# Altium PCB beovox-poe.PcbDoc (part 1 of 2) (continued)
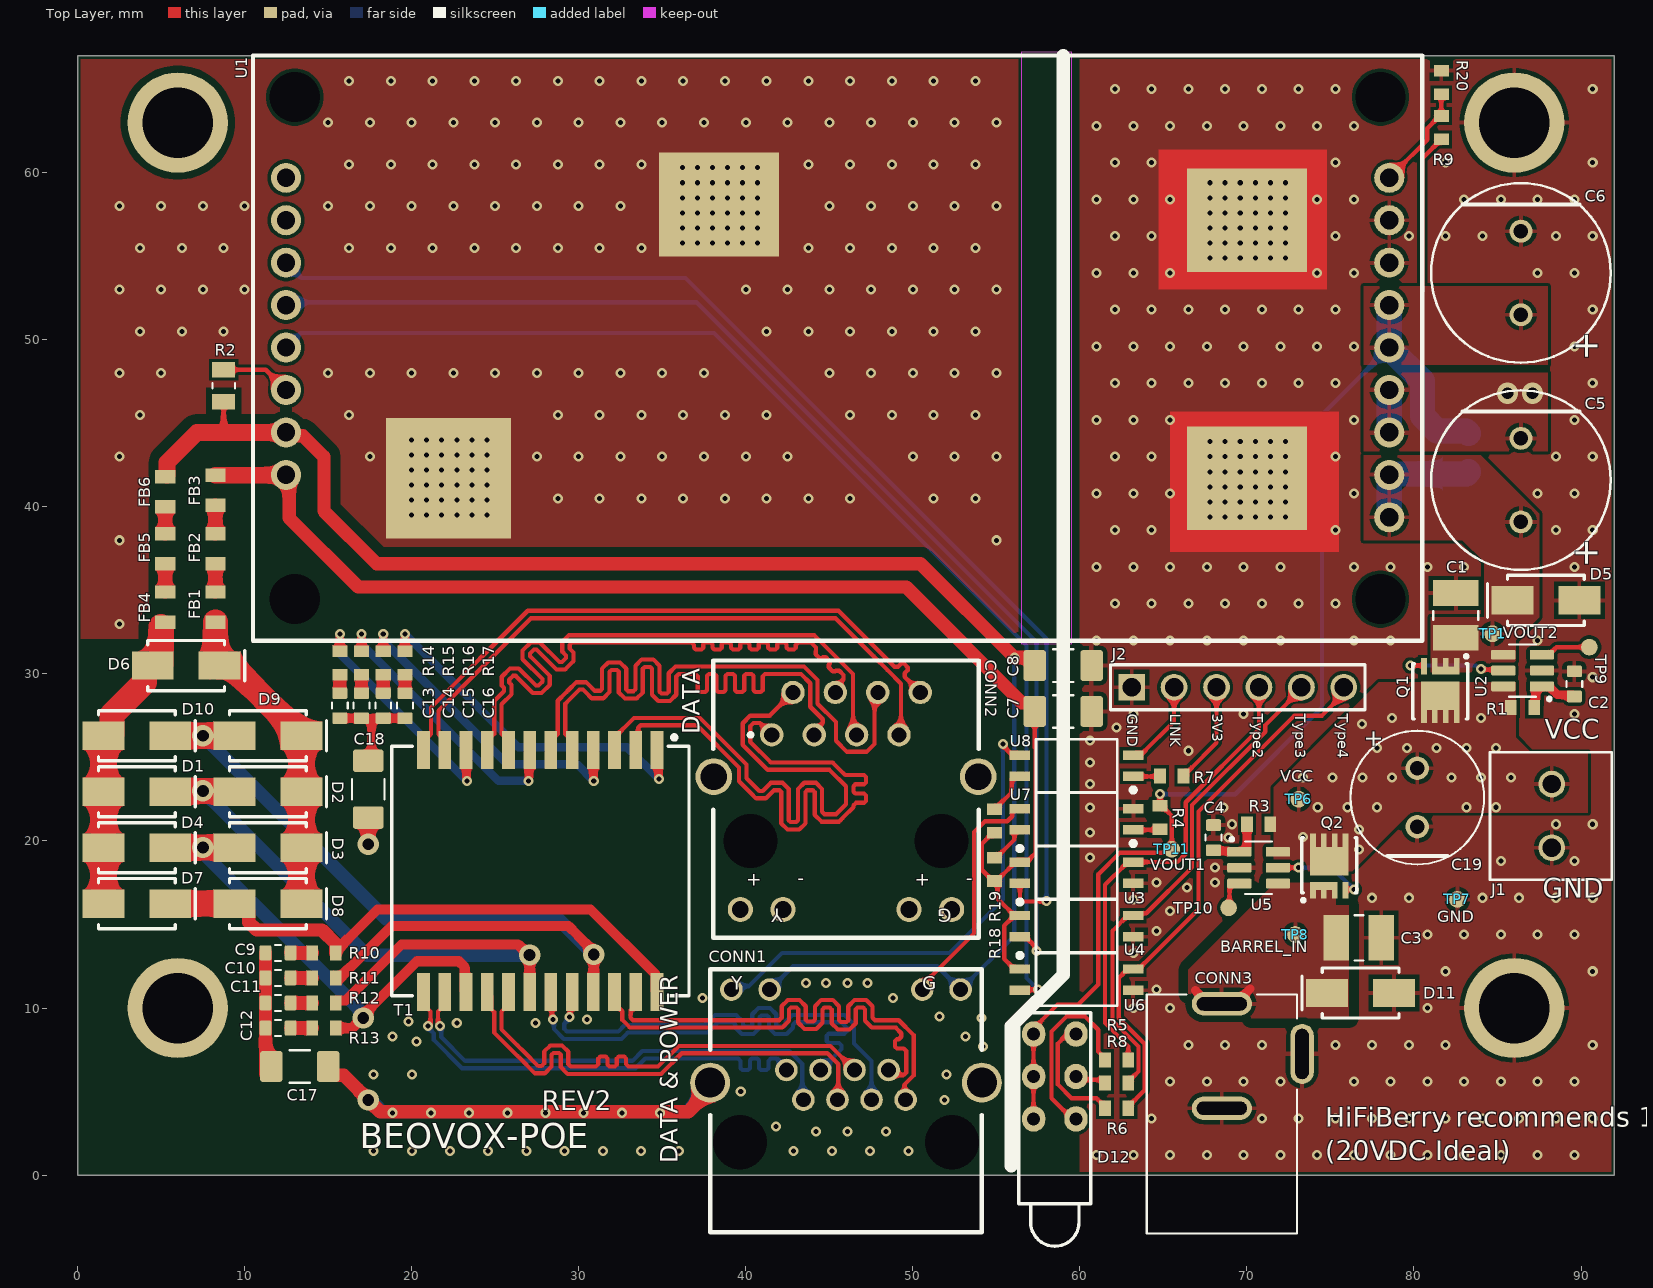
[diagram p0: Top Layer view]
## Part data (continued)
J1: "1x2P 10A -40℃~+105℃ 300V Black 16~26 Straight 3.81mm 0.5~1 1 2 Plugin,P=3.81mm Screw terminal ROHS", Manufacturer=Dorabo, Supplier Part Number=C430618, ComponentLink1Description=LCSC, ComponentLink1URL=https://www.lcsc.com/product-detail/Screw-terminal_DORABO-DB125-3-81-2P-BK-S_C430618.html, Manufacturer Part Number=DB125-3.81-2P-BK-S, Supplier=LCSC
J2: "Straight Square Pins 2.5mm 6P 6mm -40℃~+105℃ 3mm 2.54mm Plugin Black Brass 1x6P Plugin,P=2.54mm Pin Headers ROHS", Manufacturer=XFCN, Supplier Part Number=C492405, ComponentLink1Description=LCSC, ComponentLink1URL=https://www.lcsc.com/product-detail/Pin-Headers_XFCN-PZ254V-11-06P_C492405.html, Manufacurer Part Number=PZ254V-11-06P, Supplier=LCSC
J3 J4: library part Solder_Jumper_3
MP1 MP2 MP3 MP4: "M3 Round Nut 8mm height", Manufacturer=YIYUAN, Supplier Part Number=C5301772, ComponentLink1Description=LCSC, ComponentLink1URL=https://www.lcsc.com/product-detail/Other-nuts_YIYUAN-SMTSOM380BTR_C5301772.html, Manufacturer Part Number=SMTSOM380BTR, Supplier=LCSC
Q1 Q2: library part BSZ097N10NS5ATMA1, "BSZ097xx Series 100 V 40 A 9.7 mOhm OptiMOS5 Power-MOSFET - TSDSON-8 FL", Continuous Drain Current (ID)=40A, Drain to Source Resistance=13mR, Drain to Source Voltage (Vdss)=100V, Gate to Source Voltage (Vgs)=20V, Input Capacitance=2.08nF, Manufacturer=Infineon, Max Operating Temperature=150°C, Max Power Dissipation=69W, Min Operating Temperature=-55°C, On-State Resistance=9.7mR, Package Quantity=5000, Supplier Part Number 1=726-BSZ097N10NS5, Category=MOSFETs, ComponentLink1Description=http://www.mouser.com/ds/2/196/Infineon-BSZ097N10NS5-DS-v02_01-en-531392.pdf?src-supplier=Mouser, ComponentLink1URL=http://www.mouser.com/ds/2/196/Infineon-BSZ097N10NS5-DS-v02_01-en-531392.pdf?src-supplier=Mouser, ComponentLink2Description=http://www.farnell.com/datasheets/2255497.pdf?src-supplier=Farnell, ComponentLink2URL=http://www.farnell.com/datasheets/2255497.pdf?src-supplier=Farnell, ComponentLink3Description=https://www.infineon.com/dgdl/Infineon-BSZ097N10NS5-DS-v02_01-en.pdf?fileId=5546d461454603990145d5a1b051648d&src-supplier=Digikey, ComponentLink3URL=https://www.infineon.com/dgdl/Infineon-BSZ097N10NS5-DS-v02_01-en.pdf?fileId=5546d461454603990145d5a1b051648d&src-supplier=Digikey, ComponentLink4Description=http://www.infineon.com/dgdl/Infineon-BSZ097N10NS5-DS-v02_01-en.pdf?fileId=5546d461454603990145d5a1b051648d&src-supplier=Digikey, ComponentLink4URL=http://www.infineon.com/dgdl/Infineon-BSZ097N10NS5-DS-v02_01-en.pdf?fileId=5546d461454603990145d5a1b051648d&src-supplier=Digikey, Fall Time=5ns, Halogen Free="Halogen Free", Lead Free="Contains Lead", Manufacturer Part Number=BSZ097N10NS5ATMA1, Max Dual Supply Voltage=100V, Mount="Surface Mount", Number of Channels=1, Number of Pins=8, Packaging="Tape and Reel", Polarity=N-CHANNEL, Power Dissipation=69W, Pricing 1="1=1.81, 10=1.5, 50=1.5, 100=1.2, 1000=0.892, 10000=0.757 (USD)", Rds On Max=9.7mR, Rise Time=5ns, RoHS=Yes, RoHS Compliant=Yes, Series=OptiMOS™, Stock 1=24743, Supplier 1=Mouser, Turn-Off Delay Time=21ns, Turn-On Delay Time=11ns
R1 R3: library part RC0603FR-07100RL, "Res Thick Film 0603 100 Ohm 1% 1/10W ±100ppm/°C Molded SMD Paper T/R", Case Code (Imperial)=0603, Case Code (Metric)=1608, Manufacturer=Yageo, Max Operating Temperature=155°C, Max Power Dissipation=100mW, Min Operating Temperature=-55°C, Resistance=100R, Resistance Tolerance=1%, Resistor Type="Thick Film", Supplier Part Number=C105588, Supplier Part Number 1=7334493, Temperature Coefficient=100ppm/°C, Voltage Rating=50V, Case/Package=0603, Category="Chip SMD Resistors", ComponentLink1Description=https://datasheet.ciiva.com/7660/38590-7660788.pdf?src-supplier=Element14, ComponentLink1URL=https://datasheet.ciiva.com/7660/38590-7660788.pdf?src-supplier=Element14, ComponentLink2Description=https://datasheet.ciiva.com/11808/0900766b80f96399-11808280.pdf?src-supplier=Rs, ComponentLink2URL=https://datasheet.ciiva.com/11808/0900766b80f96399-11808280.pdf?src-supplier=Rs, ComponentLink3Description=https://datasheet.ciiva.com/22747/443971-22747518.pdf?src-supplier=Element14, ComponentLink3URL=https://datasheet.ciiva.com/22747/443971-22747518.pdf?src-supplier=Element14, ComponentLink4Description=https://datasheet.ciiva.com/46440/1868787-46440890.pdf?src-supplier=Element14, ComponentLink4URL=https://datasheet.ciiva.com/46440/1868787-46440890.pdf?src-supplier=Element14, ComponentLink5Description=https://datasheet.ciiva.com/7746/1738695-7746238.pdf?src-supplier=Element14, ComponentLink5URL=https://datasheet.ciiva.com/7746/1738695-7746238.pdf?src-supplier=Element14, ComponentLink6Description=https://datasheet.ciiva.com/7746/1738695-7746237.pdf?src-supplier=Element14, ComponentLink6URL=https://datasheet.ciiva.com/7746/1738695-7746237.pdf?src-supplier=Element14, ComponentLink7Description=LCSC, ComponentLink7URL=https://www.lcsc.com/product-detail/Chip-Resistor-Surface-Mount_YAGEO-RC0603FR-07100RL_C105588.html, Construction=Rectangular, Depth=0.8mm, Features="Moisture Resistant", Height=0.45mm, Lead Free="Lead Free", Length=1.6mm, Manufacturer Part Number=RC0603FR-07100RL, Military Standard=Not, Number of Pins=2, Number of Terminations=2, Packaging="Tape and Reel", Power Rating=100mW, Pricing 1="5000=0.00150, 50000=0.00140, 200000=0.00140, 625000=0.00130, 2000000=0.00120 (USD)", RoHS=Yes, RoHS Compliant=Yes, Series=RC, Size Code=0603, Stock 1=13935000, Supplier=LCSC, Supplier 1="Future Electronics", Technology="THICK FILM", Termination=SMD/SMT, Tolerance=1%, Voltage Rating (DC)=50V, Width=0.8mm
R2: library part RC0805JR-070RL, "Surface Mount Thick Film Resistor, RC Series, 125 mW, - 5%, 150 V, 0805 [2012 Metric]", Case Code (Imperial)=0805, Case Code (Metric)=2012, Manufacturer=Yageo, Max Operating Temperature=155°C, Max Power Dissipation=125mW, Min Operating Temperature=-55°C, Resistance=0mR, Resistance Tolerance=5%, Resistor Type="Thick Film", Temperature Coefficient=200ppm/°C, Voltage Rating=150V, Case/Package=0805, Category="Chip SMD Resistors", ComponentLink1Description=https://datasheet.ciiva.com/11819/0900766b8106beab-11819430.pdf?src-supplier=RSComponents, ComponentLink1URL=https://datasheet.ciiva.com/11819/0900766b8106beab-11819430.pdf?src-supplier=RSComponents, ComponentLink2Description=https://datasheet.ciiva.com/7941/1738694-7941861.pdf?src-supplier=Element14, ComponentLink2URL=https://datasheet.ciiva.com/7941/1738694-7941861.pdf?src-supplier=Element14, ComponentLink3Description=https://datasheet.ciiva.com/7941/1738694-7941862.pdf?src-supplier=Element14, ComponentLink3URL=https://datasheet.ciiva.com/7941/1738694-7941862.pdf?src-supplier=Element14, ComponentLink4Description=https://datasheet.ciiva.com/7941/1738694-7941863.pdf?src-supplier=Element14, ComponentLink4URL=https://datasheet.ciiva.com/7941/1738694-7941863.pdf?src-supplier=Element14, ComponentLink5Description=https://datasheet.ciiva.com/15190/getdatasheetpartid-330685-15190028.pdf?src-supplier=Verical, ComponentLink5URL=https://datasheet.ciiva.com/15190/getdatasheetpartid-330685-15190028.pdf?src-supplier=Verical, Construction=Rectangular, Contact Plating=Tin,Matte, Depth=1.25mm, Features="Moisture Resistant", Height=0.5mm, Lead Free="Lead Free", Length=2mm, Manufacturer Part Number=RC0805JR-070RL, Military Standard=Not, Number of Pins=2, Number of Terminations=2, Packaging="Tape and Reel", Power Rating=125mW, Pricing 1="5000=0.00430, 10000=0.00390, 25000=0.00350, 50000=0.00270 (USD)", Radiation Hardening=No, REACH SVHC=Unknown, RoHS=Yes, RoHS Compliant=Yes, Series=RC, Size Code=0805, Stock 1=5861000, Supplier 1="Arrow Electronics", Supplier Part Number 1=RC0805JR-070RL, Technology="THICK FILM", Termination=SMD/SMT, Tolerance=5%, Voltage Rating (DC)=150V, Width=1.25mm
R4 R5 R6 R8 R18 R19: library part ERJ3EKF1002V, "RES SMD 10K OHM 1% 1/10W 0603", Case Code (Imperial)=0603, Case Code (Metric)=1608, Manufacturer=Panasonic, Max Operating Temperature=155°C, Max Power Dissipation=100mW, Min Operating Temperature=-55°C, Package Quantity=1, Resistance=10kR, Supplier Part Number 1=ERJ-3EKF1002V, Temperature Coefficient=100ppm/°C, Tolerance=1%, Voltage Rating=75V, Case/Package=0603, ComponentLink1Description=https://datasheet.ciiva.com/16511/aoa0000ce2-16511861.pdf?src-supplier=Avnet+Asia, ComponentLink1URL=https://datasheet.ciiva.com/16511/aoa0000ce2-16511861.pdf?src-supplier=Avnet+Asia, ComponentLink2Description=https://datasheet.ciiva.com/46372/1678782-46372725.pdf?src-supplier=Element14, ComponentLink2URL=https://datasheet.ciiva.com/46372/1678782-46372725.pdf?src-supplier=Element14, ComponentLink3Description=https://datasheet.ciiva.com/7830/aoa0000ce2-7830729.pdf?src-supplier=Element14, ComponentLink3URL=https://datasheet.ciiva.com/7830/aoa0000ce2-7830729.pdf?src-supplier=Element14, ComponentLink4Description=https://datasheet.ciiva.com/48530/aoa0000ce2-48530988.pdf?src-supplier=Avnet, ComponentLink4URL=https://datasheet.ciiva.com/48530/aoa0000ce2-48530988.pdf?src-supplier=Avnet, ComponentLink5Description=https://datasheet.ciiva.com/28514/426256-28514198.pdf?src-supplier=Element14, ComponentLink5URL=https://datasheet.ciiva.com/28514/426256-28514198.pdf?src-supplier=Element14, ComponentLink6Description=https://datasheet.ciiva.com/9194/aoa0000ce2-9194199.pdf?src-supplier=Avnet, ComponentLink6URL=https://datasheet.ciiva.com/9194/aoa0000ce2-9194199.pdf?src-supplier=Avnet, ComponentLink7Description=https://datasheet.ciiva.com/17212/aoa0000ce2-17212105.pdf?src-supplier=Avnet+Europe, ComponentLink7URL=https://datasheet.ciiva.com/17212/aoa0000ce2-17212105.pdf?src-supplier=Avnet+Europe, ComponentLink8Description=https://datasheet.ciiva.com/30208/aoa0000ce2-30208985.pdf?src-supplier=Onlinecomponents.com, ComponentLink8URL=https://datasheet.ciiva.com/30208/aoa0000ce2-30208985.pdf?src-supplier=Onlinecomponents.com, ComponentLink9Description=https://datasheet.ciiva.com/24070/aoa0000ce2-24070318.pdf?src-supplier=Mouser, ComponentLink9URL=https://datasheet.ciiva.com/24070/aoa0000ce2-24070318.pdf?src-supplier=Mouser, ComponentLink10Description=https://datasheet.ciiva.com/16759/70260748-16759807.pdf?src-supplier=Allied+Electronics, ComponentLink10URL=https://datasheet.ciiva.com/16759/70260748-16759807.pdf?src-supplier=Allied+Electronics, Composition="Thick Film", Contact Plating=Tin, Depth=0.8mm, Features="Automotive AEC-Q200", Height=0.45mm, Lead Free="Lead Free", Length=1.6mm, Manufacturer Part Number=ERJ3EKF1002V, Military Standard=Not, Mount="Surface Mount", Number of Pins=2, Number of Terminations=2, Packaging="Tape and Reel", Power Rating=100mW, Pricing 1="5000 = 0.00810, 10000 = 0.00710, 25000 = 0.00640, 50000 = 0.00570, 125000 = 0.00550 (USD)", Radiation Hardening=No, REACH SVHC="No SVHC", RoHS=Yes, Stock 1=780000, Supplier 1=Arrow, Termination=SMD/SMT, Voltage Rating (DC)=75V, Width=0.031inch
R7: library part RC0603FR-071KL, "Res Thick Film 0603 1K Ohm 1% 1/10W ±100ppm/°C Molded SMD SMD Paper T/R", Case Code (Imperial)=0603, Case Code (Metric)=1608, Manufacturer=Yageo, Max Operating Temperature=155°C, Max Power Dissipation=100mW, Min Operating Temperature=-55°C, Resistance=1kR, Resistance Tolerance=1%, Resistor Type="Thick Film", Supplier Part Number=C22548, Supplier Part Number 1=4016291, Temperature Coefficient=100ppm/°C, Voltage Rating=50V, Case/Package=0603, Category="Chip SMD Resistors", ComponentLink1Description=https://datasheet.ciiva.com/11808/0900766b80f96399-11808081.pdf?src-supplier=Rs, ComponentLink1URL=https://datasheet.ciiva.com/11808/0900766b80f96399-11808081.pdf?src-supplier=Rs, ComponentLink2Description=https://datasheet.ciiva.com/7746/1686128-7746280.pdf?src-supplier=Element14, ComponentLink2URL=https://datasheet.ciiva.com/7746/1686128-7746280.pdf?src-supplier=Element14, ComponentLink3Description=https://datasheet.ciiva.com/7660/1868787-7660790.pdf?src-supplier=Element14, ComponentLink3URL=https://datasheet.ciiva.com/7660/1868787-7660790.pdf?src-supplier=Element14, ComponentLink4Description=https://datasheet.ciiva.com/7983/443971-7983613.pdf?src-supplier=Element14, ComponentLink4URL=https://datasheet.ciiva.com/7983/443971-7983613.pdf?src-supplier=Element14, ComponentLink5Description=https://datasheet.ciiva.com/7746/1738695-7746281.pdf?src-supplier=Element14, ComponentLink5URL=https://datasheet.ciiva.com/7746/1738695-7746281.pdf?src-supplier=Element14, ComponentLink6Description=https://datasheet.ciiva.com/7746/1738695-7746279.pdf?src-supplier=Element14, ComponentLink6URL=https://datasheet.ciiva.com/7746/1738695-7746279.pdf?src-supplier=Element14, ComponentLink7Description=https://datasheet.ciiva.com/8896/pyu-rc0603-51-rohs-l-4-8896106.pdf?src-supplier=Avnet, ComponentLink7URL=https://datasheet.ciiva.com/8896/pyu-rc0603-51-rohs-l-4-8896106.pdf?src-supplier=Avnet, ComponentLink8Description=https://datasheet.ciiva.com/15189/getdatasheetpartid-404327-15189644.pdf?src-supplier=Verical, ComponentLink8URL=https://datasheet.ciiva.com/15189/getdatasheetpartid-404327-15189644.pdf?src-supplier=Verical, ComponentLink9Description=LCSC, ComponentLink9URL=https://www.lcsc.com/product-detail/Chip-Resistor-Surface-Mount_YAGEO-RC0603FR-071KL_C22548.html, Construction=Rectangular, Contact Plating=Tin,Matte, Depth=0.8mm, Features="Moisture Resistant", Height=0.45mm, Lead Free="Lead Free", Length=1.6mm, Manufacturer Part Number=RC0603FR-071KL, Military Standard=Not, Number of Terminations=2, Packaging="Tape and Reel", Power Rating=100mW, Pricing 1="5000=0.0015, 50000=0.0014, 200000=0.0014, 625000=0.0013, 2000000=0.0012 (USD)", Reach SVHC Compliant=No, RoHS=Yes, RoHS Compliant=Yes, Series=RC, Size Code=0603, Stock 1=16270000, Supplier=LCSC, Supplier 1="Future Electronics", Technology="THICK FILM", Termination=SMD/SMT, Tolerance=1%
R9: library part RC0603FR-0791KL, "SMD Chip Resistor, 91 kOhm, ± 1%, 100 mW, 0603 [1608 Metric], Thick Film, General Purpose", Case Code (Imperial)=0603, Case Code (Metric)=1608, Manufacturer=Yageo, Max Operating Temperature=155°C, Max Power Dissipation=100mW, Min Operating Temperature=-55°C, Resistance=91kR, Supplier Part Number=C137671, Supplier Part Number 1=1365832, Temperature Coefficient=100ppm/°C, Tolerance=1%, Voltage Rating=75V, Voltage Rating (DC)=50V, Case/Package=0603, Category="Chip SMD Resistors", ComponentLink1Description=https://datasheet.ciiva.com/11819/0900766b80c66297-11819716.pdf?src-supplier=Rs, ComponentLink1URL=https://datasheet.ciiva.com/11819/0900766b80c66297-11819716.pdf?src-supplier=Rs, ComponentLink2Description=https://datasheet.ciiva.com/15189/getdatasheetpartid-326529-15189837.pdf?src-supplier=Verical, ComponentLink2URL=https://datasheet.ciiva.com/15189/getdatasheetpartid-326529-15189837.pdf?src-supplier=Verical, ComponentLink3Description=LCSC, ComponentLink3URL=https://www.lcsc.com/product-detail/Chip-Resistor-Surface-Mount_YAGEO-RC0603FR-0791KL_C137671.html, Construction=Rectangular, Depth=0.8mm, Features="Moisture Resistant", Height=0.45mm, Lead Free="Lead Free", Length=1.6mm, Manufacturer Part Number=RC0603FR-0791KL, Military Standard=Not, Mount="Surface Mount", Number of Terminations=2, Packaging="Tape and Reel", Power Rating=100mW, Pricing 1="5000=0.0013, 50000=0.0013, 150000=0.0012, 375000=0.0012, 1000000=0.0011 (USD)", RoHS=Yes, RoHS Compliant=Yes, Series=RC, Size Code=0603, Stock 1=250000, Supplier=LCSC, Supplier 1="Future Electronics", Technology="THICK FILM", Termination=SMD/SMT, Weight=7.1E-05oz, Width=0.8mm
R10 R11 R12 R13 R14 R15 R16 R17: library part RC0603FR-0775RL, "SMD Chip Resistor, 75 Ohm, ± 1%, 100 mW, 0603 [1608 Metric], Thick Film, General Purpose", Case Code (Imperial)=0603, Case Code (Metric)=1608, Manufacturer=Yageo, Max Operating Temperature=155°C, Max Power Dissipation=100mW, Min Operating Temperature=-55°C, Package Quantity=1, Resistance=75R, Resistance Tolerance=1%, Resistor Type="Thick Film", Supplier Part Number=C112309, Supplier Part Number 1=4693131, Temperature Coefficient=100ppm/°C, Voltage Rating=50V, Case/Package=0603, Category="Chip SMD Resistors", ComponentLink1Description=https://datasheet.ciiva.com/11819/0900766b80f96399-11819407.pdf?src-supplier=Rs, ComponentLink1URL=https://datasheet.ciiva.com/11819/0900766b80f96399-11819407.pdf?src-supplier=Rs, ComponentLink2Description=https://datasheet.ciiva.com/46395/443971-46395018.pdf?src-supplier=Element14, ComponentLink2URL=https://datasheet.ciiva.com/46395/443971-46395018.pdf?src-supplier=Element14, ComponentLink3Description=https://datasheet.ciiva.com/2453/pyu-r-int-thick-7-2453962.pdf?src-supplier=Digi-Key, ComponentLink3URL=https://datasheet.ciiva.com/2453/pyu-r-int-thick-7-2453962.pdf?src-supplier=Digi-Key, ComponentLink4Description=https://datasheet.ciiva.com/2453/pyu-r-int-thick-7-2453963.pdf?src-supplier=Digi-Key, ComponentLink4URL=https://datasheet.ciiva.com/2453/pyu-r-int-thick-7-2453963.pdf?src-supplier=Digi-Key, ComponentLink5Description=https://datasheet.ciiva.com/2453/pyu-r-int-thick-7-2453961.pdf?src-supplier=Digi-Key, ComponentLink5URL=https://datasheet.ciiva.com/2453/pyu-r-int-thick-7-2453961.pdf?src-supplier=Digi-Key, ComponentLink6Description=LCSC, ComponentLink6URL=https://www.lcsc.com/product-detail/Chip-Resistor-Surface-Mount_YAGEO-RC0603FR-0775RL_C112309.html, Construction=Rectangular, Depth=0.8mm, Features="Moisture Resistant", Height=0.022inch, Lead Free=5697LeadFree, Length=0.063inch, Manufacturer Part Number=RC0603FR-0775RL, Military Standard=Not, Number of Terminations=2, Packaging="Tape and Reel", Power Rating=100mW, Pricing 1="5000=0.0014, 50000=0.0013, 200000=0.0012, 625000=0.0012, 2000000=0.0011 (USD)", Reach SVHC Compliant=No, RoHS=Yes, RoHS Compliant=Yes, Series=RC, Size Code=0603, Stock 1=775000, Supplier=LCSC, Supplier 1="Future Electronics", Technology="THICK FILM", Termination=SMD/SMT, Tolerance=1%, Voltage Rating (DC)=50V, Width=0.031inch
R20: library part RC0603FR-078K2L, "Res Thick Film 0603 8.2K Ohm 1% 0.1W(1/10W) ±100ppm/C Pad SMD T/R", Case Code (Imperial)=0603, Case Code (Metric)=1608, Manufacturer=Yageo, Max Operating Temperature=155°C, Max Power Dissipation=100mW, Min Operating Temperature=-55°C, Package Quantity=1, Resistance=8.2kR, Resistance Tolerance=1%, Resistor Type="Thick Film", Supplier Part Number=C114637, Supplier Part Number 1=9121856, Temperature Coefficient=100ppm/°C, Voltage Rating=50V, Case/Package=0603, Category="Chip SMD Resistors", ComponentLink1Description=https://datasheet.ciiva.com/11808/0900766b80f96399-11808128.pdf?src-supplier=Rs, ComponentLink1URL=https://datasheet.ciiva.com/11808/0900766b80f96399-11808128.pdf?src-supplier=Rs, ComponentLink2Description=https://datasheet.ciiva.com/7746/443971-7746409.pdf?src-supplier=Element14, ComponentLink2URL=https://datasheet.ciiva.com/7746/443971-7746409.pdf?src-supplier=Element14, ComponentLink3Description=https://datasheet.ciiva.com/7746/443971-7746408.pdf?src-supplier=Element14, ComponentLink3URL=https://datasheet.ciiva.com/7746/443971-7746408.pdf?src-supplier=Element14, ComponentLink4Description=https://datasheet.ciiva.com/7660/38590-7660795.pdf?src-supplier=Element14, ComponentLink4URL=https://datasheet.ciiva.com/7660/38590-7660795.pdf?src-supplier=Element14, ComponentLink5Description=https://datasheet.ciiva.com/46412/443971-46412857.pdf?src-supplier=Element14, ComponentLink5URL=https://datasheet.ciiva.com/46412/443971-46412857.pdf?src-supplier=Element14, ComponentLink6Description=https://datasheet.ciiva.com/2454/pyu-r-int-thick-7-2454253.pdf?src-supplier=Digikey, ComponentLink6URL=https://datasheet.ciiva.com/2454/pyu-r-int-thick-7-2454253.pdf?src-supplier=Digikey, ComponentLink7Description=https://datasheet.ciiva.com/2454/pyu-r-int-thick-7-2454254.pdf?src-supplier=Digikey, ComponentLink7URL=https://datasheet.ciiva.com/2454/pyu-r-int-thick-7-2454254.pdf?src-supplier=Digikey, ComponentLink8Description=https://datasheet.ciiva.com/2454/pyu-r-int-thick-7-2454252.pdf?src-supplier=Digikey, ComponentLink8URL=https://datasheet.ciiva.com/2454/pyu-r-int-thick-7-2454252.pdf?src-supplier=Digikey, ComponentLink9Description=LCSC, ComponentLink9URL=https://www.lcsc.com/product-detail/Chip-Resistor-Surface-Mount_YAGEO-RC0603FR-078K2L_C114637.html, Depth=0.8mm, Features="Moisture Resistant", Height=0.022inch, Lead Free=5697LeadFree, Lead Pitch=0.3mm, Length=0.063inch, Manufacturer Part Number=RC0603FR-078K2L, Number of Pins=2, Number of Terminations=2, Packaging="Tape and Reel", Power Rating=100mW, Pricing 1="5000=0.0015, 50000=0.0014, 150000=0.0014, 375000=0.0013, 1000000=0.0012 (USD)", Reach SVHC Compliant=No, RoHS=Yes, RoHS Compliant=Yes, Series=RC, Size Code=0603, Stock 1=690000, Supplier=LCSC, Supplier 1="Future Electronics", Technology="THICK FILM", Termination=SMD/SMT, Tolerance=1%, Voltage Rating (AC)=50V, Voltage Rating (DC)=50V, Width=0.031inch
T1: "WE-LAN 10/100/1000 Base-T SMT Transformer 1 Port", Inductance=350uH, Manufacturer="Wurth Electronics", Max Operating Temperature=85°C, Min Operating Temperature=-40°C, Supplier Part Number 1=732-10731-1-ND, Category=Transformers, ComponentLink1Description=http://www.farnell.com/datasheets/2616617.pdf?src-supplier=Farnell, ComponentLink1URL=http://www.farnell.com/datasheets/2616617.pdf?src-supplier=Farnell, ComponentLink2Description=http://www.farnell.com/datasheets/2616617.pdf?src-supplier=Newark, ComponentLink2URL=http://www.farnell.com/datasheets/2616617.pdf?src-supplier=Newark, ComponentLink3Description=https://katalog.we-online.de/pbs/datasheet/7490220122.pdf?src-supplier=Digi-Key, ComponentLink3URL=https://katalog.we-online.de/pbs/datasheet/7490220122.pdf?src-supplier=Digi-Key, Manufacturer Part Number=7490220122, Mount="Surface Mount", Packaging="Cut Tape", Pricing 1="1=6.98, 10=6.731, 50=6.321, 100=5.951 (USD)", RoHS=Yes, RoHS Compliant=Yes, Series=WE-LAN, Stock 1=8221, Supplier 1=Digi-Key, Turns Ratio=1:1
TP1 TP6 TP7 TP8 TP9 TP10 TP11: library part Test_Point
U1: "IEEE802.3bt 4-Pair PD Module - works with AG6800", Manufacturer=Silvertel, Supplier Part Number 1=5061-AG5800-ND, Manufacturer Part Number=AG5800, Pricing 1="1=25.36, 10=24.65, 24=23.92, 48=23.2, 120=22.47, 264=22.00008 (USD)", RoHS=No, Stock 1=862, Supplier 1=Digi-Key
U2 U5: "IC OR CTRLR N+1 6SOT", Case/Package=SOT-23-6, Manufacturer="TI National Semiconductor", Max Operating Temperature=125°C, Max Output Current=3.2uA, Max Supply Voltage=75V, Min Operating Temperature=-40°C, Min Supply Voltage=5V, Nominal Supply Current=130uA, Package Quantity=1000, Quiescent Current=400uA, Supplier Part Number 1=LM5050MK-1/NOPBDKR-ND, Category="Power Management ICs", ComponentLink1Description=https://datasheet.ciiva.com/22694/1642225-22694320.pdf?src-supplier=Element14, ComponentLink1URL=https://datasheet.ciiva.com/22694/1642225-22694320.pdf?src-supplier=Element14, ComponentLink2Description=https://datasheet.ciiva.com/12085/lm5050-1-122886-12085154.pdf?src-supplier=Mouser, ComponentLink2URL=https://datasheet.ciiva.com/12085/lm5050-1-122886-12085154.pdf?src-supplier=Mouser, ComponentLink3Description=https://datasheet.ciiva.com/15110/getdatasheetpartid-319925-15110173.pdf?src-supplier=Verical, ComponentLink3URL=https://datasheet.ciiva.com/15110/getdatasheetpartid-319925-15110173.pdf?src-supplier=Verical, ComponentLink4Description=https://datasheet.ciiva.com/1960/lm5050-1-1960856.pdf?src-supplier=Digi-Key, ComponentLink4URL=https://datasheet.ciiva.com/1960/lm5050-1-1960856.pdf?src-supplier=Digi-Key, ComponentLink5Description=https://datasheet.ciiva.com/1960/lm5050-1-1960857.pdf?src-supplier=Digi-Key, ComponentLink5URL=https://datasheet.ciiva.com/1960/lm5050-1-1960857.pdf?src-supplier=Digi-Key, ComponentLink6Description=https://datasheet.ciiva.com/1960/lm5050-1-1960858.pdf?src-supplier=Digi-Key, ComponentLink6URL=https://datasheet.ciiva.com/1960/lm5050-1-1960858.pdf?src-supplier=Digi-Key, Contact Plating=Tin, Lead Free="Lead Free", Manufacturer Part Number=LM5050MK-1/NOPB, Mount="Surface Mount", Number of Drivers=1, Number of Outputs=1, Number of Pins=6, Operating Supply Current=130uA, Output Current=3.2uA, Output Voltage=75V, Packaging="Tape and Reel", Pricing 1="1=2.85000, 10=2.55900, 25=2.41400, 100=2.05690, 250=1.93132, 500=1.68990 (USD)", Radiation Hardening=No, Reach SVHC Compliant=Yes, RoHS=Yes, RoHS Compliant=Yes, Series=-, Supplier 1=Digi-Key, Supply Current=130uA, Turn-Off Delay Time=486ns, Weight=0.00127oz
U3 U4 U6 U7 U8: "80V 3750V 50mA 0.4V@2.4mA,8mA 1 6V 1.2V DC SOP-4-1.27mm Optocouplers - Phototransistor Output ROHS", Manufacturer=Orient, Supplier Part Number=C282477, ComponentLink1Description=LCSC, ComponentLink1URL=https://www.lcsc.com/product-detail/Optocouplers-Phototransistor-Output_Orient-OR-3H7B-TP-G_C282477.html, Manufacturer Part Number=OR-3H7B-TP-G, Supplier=LCSC

## Via types
v1: diameter 0.6, hole 0.3, Top Layer to Bottom Layer, tented both sides, 289 vias
v2: diameter 0.6, hole 0.3, Top Layer to Bottom Layer, 157 vias
v3: diameter 0.61, hole 0.3, Top Layer to Bottom Layer, 144 vias
v4: diameter 1.27, hole 0.711, Top Layer to Bottom Layer, tented both sides, 5 vias
v5: diameter 0.6, hole 0.3, Top Layer to Bottom Layer, tented top, 4 vias
v6: diameter 1.27, hole 0.711, Top Layer to Bottom Layer, 3 vias
v7: diameter 1.27, hole 0.711, Top Layer to Bottom Layer, tented top, 2 vias

## Nets (pads, with @x,y where several pads share a name; then routed paths per layer and width w, separated by ;. In a path a pad name is that pad's centre, name@x,y a point inside that pad or via, vN(x,y) a via of type N, cw(c..) or ccw(c..) an arc to the next point about the centre after c; other vN are vias at no path point)
0V2: C5.N J3.3 J4.1 U1.11 U1.12 | length 2.5
  Bottom Layer w1.5: U1.11@78.52,44.455 U1.12@78.52,46.995
  other v4: 85.6,46.8 87.1,46.8
BARREL_IN: C3.2 CONN3.A D11.2 Q2.1 Q2.2 Q2.3 TP8.1 U5.4 | length 4
  Top Layer w0.254: CONN3.A@67.71,10.25 CONN3.A@68.5,10.25 CONN3.A@69.29,10.25
  Top Layer w0.5: 66.9,11.06 CONN3.A@67.71,10.25 ; CONN3.A@69.29,10.25 70.2,11.16
CGND: C17.1 C18.1 CONN1.S1 CONN1.S2 CONN2.S1 CONN2.S2 | length 51.1
  Top Layer w0.762: CONN1.S2@38.176,5.224 CONN1.S2@38.183,5.217
  Top Layer w0.8: C17.1@15,6.3 15,6.25 15.275,5.975 15.925,5.975 v6(17.4,4.5) 17.404,4.5 18.104,3.8 36.573,3.8 CONN1.S2@37.87,5.097 ; v6(17.4,19.8) C18.1@17.4,21.4 ; CONN1.S2@37.87,5.53 CONN1.S2@38.176,5.224
  Bottom Layer w0.8: v6(17.4,4.5) 17.527,4.5 18.227,3.8 ; v1@18.867,3.8 18.227,3.8 ; v1@25.725,3.8 v1@23.439,3.8 ; CONN1.S2@37.87,5.53 37.87,5.17 36.5,3.8 32.583,3.8 30.297,3.8 28.011,3.8 v1@23.439,3.8 ; 18.227,3.8 21.153,3.8 v1@23.439,3.8
  other v1: 17.724,1.444 20.01,1.444 22.296,1.444 24.582,1.444 26.868,1.444 29.154,1.444 31.44,1.444 33.726,1.444 36.012,1.444 42.87,1.444 45.156,1.444 47.442,1.444 49.728,1.444 44.2,2.6 46.1,2.6 48.4,2.6 41.8,2.9 18.867,3.73 21.153,3.73 23.439,3.73 25.725,3.73 28.011,3.73 30.297,3.73 32.583,3.73 34.869,3.73 51.9,4.5 39.7,5 17.724,6.016 20.01,6.016 52.014,6.016 54.2,7.7 20.3,8 18.867,8.302 53.157,8.302 22.7,9.1 27.4,9.1 19.8,9.2 30.5,9.3 54.1,9.4 51.6,9.5 37.4,10.6 48.8,10.6 43.6,11.5 44.8,11.5 46.1,11.5 47.3,11.5
GND: C1.1 C2.1 C3.1 C4.1 C6.N C7.2 C8.2 C19.N CONN3.B CONN3.C D5.1 D11.1 J1.1 J2.1 J4.2 MP2.1 MP4.1 R20.1 TP7.1 U1.15 U1.16 U1.19 U2.2 U3.3 U4.3 U5.2 U6.3 U7.2
  other v1: 61,1.2 63.2,1.2 65.4,1.2 67.6,1.2 69.8,1.2 72,1.2 74.2,1.2 76.4,1.2 78.6,1.2 80.8,1.2 83,1.2 85.2,1.2 87.4,1.2 89.6,1.2 64.3,3.4 70.9,3.4 73.1,3.4 75.3,3.4 77.5,3.4 79.7,3.4 81.9,3.4 84.1,3.4 86.3,3.4 88.5,3.4 90.7,3.4 65.4,5.6 67.6,5.6 69.8,5.6 72,5.6 76.4,5.6 78.6,5.6 80.8,5.6 83,5.6 85.2,5.6 87.4,5.6 89.6,5.6 66.5,7.8 68.7,7.8 70.9,7.8 75.3,7.8 77.5,7.8 79.7,7.8 81.9,7.8 90.7,7.8 63.2,10 65.4,10 80.8,10 64.6,11.1 81.9,12.2 90.7,12.2 63.2,13.3 80.8,14.4 83,14.4 85.2,14.4 87.4,14.4 89.6,14.4 64.6,14.6 65.4,15.8 63.2,16.5 77.5,16.6 79.7,16.6 84.1,16.6 86.3,16.6 88.5,16.6 90.7,16.6 66.4,17.2 64.6,17.5 68.1,17.5 68.1,18.4 85.2,18.8 89.6,18.8 60.6,19 68.9,20.2 60.6,20.5 69.1,21 88.5,21 90.7,21 60.6,22 68.6,22 60.6,23.4 60.6,24.7 66.5,25.4 60.6,26 62.2,26.8 63.2,27.6 69.8,27.6 89.6,27.6 90.7,29.8 61,32 63.2,32 65.4,32 67.6,32 69.8,32 72,32 76.4,32 78.6,32 87.4,32 62.1,34.2 64.3,34.2 66.5,34.2 68.7,34.2 70.9,34.2 73.1,34.2 75.3,34.2 61,36.4 63.2,36.4 65.4,36.4 67.6,36.4 69.8,36.4 72,36.4 76.4,36.4 78.6,36.4 80.8,36.4 83,36.4 89.6,36.4 62.1,38.6 64.3,38.6 75.3,38.6 88.5,38.6 90.7,38.6 61,40.8 63.2,40.8 65.4,40.8 76.4,40.8 87.4,40.8 89.6,40.8 62.1,43 64.3,43 75.3,43 88.5,43 90.7,43 61,45.2 63.2,45.2 65.4,45.2 76.4,45.2 89.6,45.2 62.1,47.4 64.3,47.4 66.5,47.4 68.7,47.4 70.9,47.4 73.1,47.4 75.3,47.4 90.7,47.4 61,49.6 63.2,49.6 65.4,49.6 67.6,49.6 69.8,49.6 72,49.6 74.2,49.6 76.4,49.6 89.6,49.6 62.1,51.8 64.3,51.8 66.5,51.8 68.7,51.8 70.9,51.8 73.1,51.8 75.3,51.8 90.7,51.8 61,54 63.2,54 65.4,54 74.2,54 76.4,54 87.4,54 89.6,54 62.1,56.2 64.3,56.2 75.3,56.2 79.7,56.2 81.9,56.2 84.1,56.2 88.5,56.2 90.7,56.2 61,58.4 63.2,58.4 65.4,58.4 74.2,58.4 76.4,58.4 83,58.4 85.2,58.4 87.4,58.4 89.6,58.4 62.1,60.6 64.3,60.6 75.3,60.6 81.9,60.6 90.7,60.6 61,62.8 63.2,62.8 65.4,62.8 67.6,62.8 69.8,62.8 72,62.8 74.2,62.8 76.4,62.8 62.1,65 64.3,65 66.5,65 68.7,65 70.9,65 73.1,65 75.3,65 90.7,65
  other v3: 67.8,39.4 68.7,39.4 69.6,39.4 70.5,39.4 71.4,39.4 72.3,39.4 67.8,40.3 68.7,40.3 69.6,40.3 70.5,40.3 71.4,40.3 72.3,40.3 67.8,41.2 68.7,41.2 69.6,41.2 70.5,41.2 71.4,41.2 72.3,41.2 67.8,42.1 68.7,42.1 69.6,42.1 70.5,42.1 71.4,42.1 72.3,42.1 67.8,43 68.7,43 69.6,43 70.5,43 71.4,43 72.3,43 67.8,43.9 68.7,43.9 69.6,43.9 70.5,43.9 71.4,43.9 72.3,43.9 67.8,54.9 68.7,54.9 69.6,54.9 70.5,54.9 71.4,54.9 72.3,54.9 67.8,55.8 68.7,55.8 69.6,55.8 70.5,55.8 71.4,55.8 72.3,55.8 67.8,56.7 68.7,56.7 69.6,56.7 70.5,56.7 71.4,56.7 72.3,56.7 67.8,57.6 68.7,57.6 69.6,57.6 70.5,57.6 71.4,57.6 72.3,57.6 67.8,58.5 68.7,58.5 69.6,58.5 70.5,58.5 71.4,58.5 72.3,58.5 67.8,59.4 68.7,59.4 69.6,59.4 70.5,59.4 71.4,59.4 72.3,59.4
LINK_LED: J2.2 U8.2 | length 5.2
  Top Layer w0.254: U8.2@63.191,25.135 63.343,25.287 63.787,25.287 65.64,27.14 J2.2@65.64,29.1
LINK_LED_ISO: CONN1.12 U8.3 | length 29.1
  Top Layer w0.254: v1(55.4,25.8) 55.466,25.734 55.466,25.634 55.813,25.287 56.257,25.287 U8.3@56.409,25.135
  Bottom Layer w0.254: CONN1.12@39.14,11.1 39.359,11.319 40.197,11.319 42.178,13.3 52.2,13.3 55.4,16.5 v1(55.4,25.8)
NetC2_2: C2.2 R1.1 U2.1 | length 3.8
  Top Layer w0.5: R1.1@87.2,28 87.3,28.1 87.3,29.205 87.345,29.25 88.085,29.25 88.585,28.75 89.5,28.75 C2.2@89.6,28.65